# KiCad board accurate2_eval.kicad_pcb (continued)
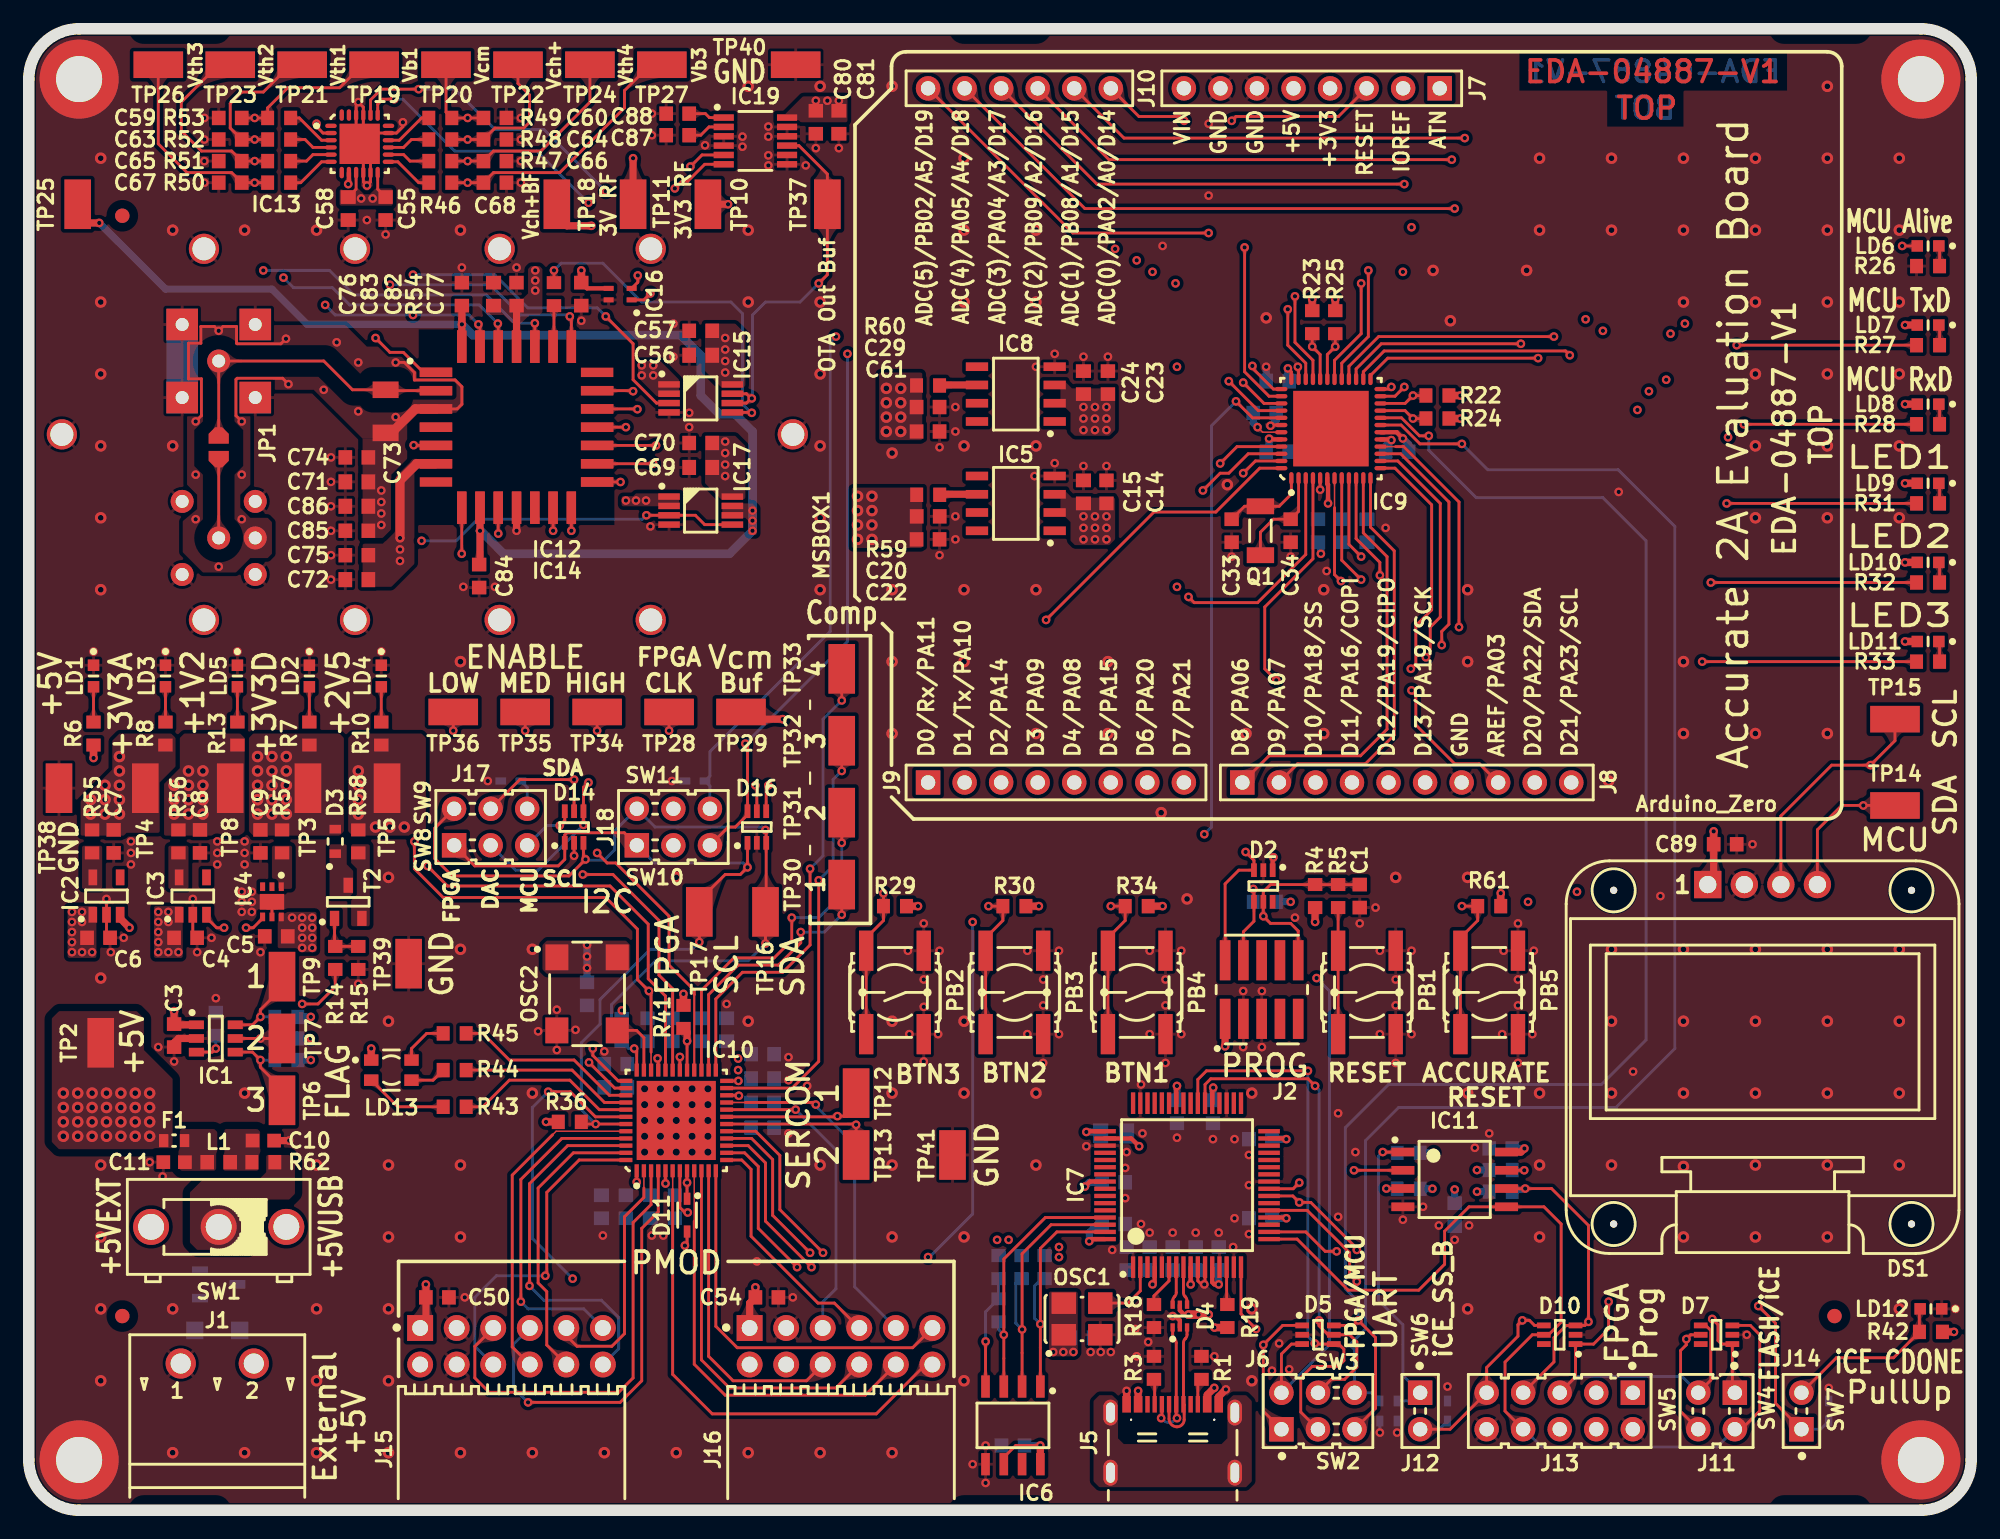
[diagram p0: board, top side]
## Routing (per net, layer and track width the routed paths; a pad name or vN(x,y) marks a point on that pad's centre or on a via; arc(x,y) is an arc through that point) (continued)
/MCU/P.A8: length 43.3
  Top w0.2: v1(96.05,58.5) 96.4,58.85 96.4,61.5 97.5,62.6 97.5,69.9 94.95,72.45 IC9.13
  L3_SIG w0.2: J9.5 80.56,58.5 v1(96.05,58.5)
/MCU/P.A9: length 47.1
  Top w0.2: IC9.14 95.15,72.95 98.1,70 98.1,62.1 97.4,61.4 97.4,59.6 v1(97.1,59.3)
  L3_SIG w0.2: v1(97.1,59.3) 97,59.2 78.72,59.2 J9.4
/MCU/P.A10: length 53.4
  Top w0.2: IC9.15 95.35,73.45 98.7,70.1 98.7,61.6 98.2,61.1 v1(98.2,60.15)
  L3_SIG w0.2: v1(98.2,60.15) 97.95,59.9 74.34,59.9 J9.2
/MCU/P.A11: length 57.1
  Top w0.1: IC9.16 95,73.95
  Top w0.2: v1(99.4,61.4) 99.4,70.1 95.55,73.95 95,73.95
  L3_SIG w0.2: v1(99.4,61.4) 73.3,61.4 J9.1
/MCU/P.A14: length 77.2
  Top w0.2: v1(95.6,78.1) 94.95,77.45 IC9.23
  L3_SIG w0.2: v1(96.1,89.2) 96,89.3 77.1,89.3 v1(75.5,87.7)
  L4_SIG w0.2: J9.3 69.58,52.6 72.5,52.6 75.6,55.7 75.6,87.6 v1(75.5,87.7) ; v1(95.6,78.1) 96.7,79.2 96.7,88.6 v1(96.1,89.2)
/MCU/P.A15: length 65.4
  Top w0.2: IC9.24 94.55,77.95 v1(94.7,78.1)
  L3_SIG w0.2: v1(77,86.9) 77.1,87 94.6,87 v1(95.5,86.1)
  L4_SIG w0.2: v1(77,86.9) 76.6,86.5 76.6,53.9 75.2,52.5 J9.6 ; v1(94.7,78.1) 95.9,79.3 95.9,85.7 v1(95.5,86.1)
/MCU/P.A16: length 51.8
  Top w0.2: v1(104.9,80.1) 94.45,80.1 93.25,78.9 IC9.25
  L4_SIG w0.2: v1(104.9,80.1) 104.9,55.78 103.42,54.3 95.67,54.3 J8.4
/MCU/P.A17: length 52.6
  Top w0.2: IC9.26 92.75,79.15 94.2,80.6 106.8,80.6 v1(107.1,80.3)
  L4_SIG w0.2: v1(107.1,80.3) 107.1,55.18 104.22,52.3 98.75,52.3 J8.6
/MCU/P.A18: length 54.5
  Top w0.2: IC9.27 92.25,79.35 94,81.1 v1(103.7,81.1)
  L4_SIG w0.2: J8.3 94.13,55.3 103.02,55.3 103.7,55.98 v1(103.7,81.1)
/MCU/P.A19: length 55.6
  Top w0.2: IC9.28 91.75,79.53 93.82,81.6 v1(106,81.6)
  L4_SIG w0.2: v1(106,81.6) 106,55.48 103.82,53.3 97.21,53.3 J8.5
/MCU/P.A20: length 59
  Top w0.2: v1(93.1,86.2) 93.1,81.6 91.25,79.75 IC9.29
  L3_SIG w0.2: v1(93.1,86.2) 78.2,86.2 v1(78.1,86.1)
  L4_SIG w0.2: J9.7 77.74,85.74 v1(78.1,86.1)
/MCU/P.A21: length 55.9
  Top w0.2: IC9.30 90.75,79.95 92.6,81.8 v1(92.6,85.3)
  L3_SIG w0.2: v1(92.6,85.3) v1(79.7,85.3)
  L4_SIG w0.2: J9.8 78.9,51.98 78.9,84.5 v1(79.7,85.3)
/MCU/P.B2: length 44.4
  Top w0.2: v1(84.4,72.1) 85.25,72.95 IC9.47 ; J10.6 72.56,88.8 v1(82,88.8)
  L4_SIG w0.2: v1(82,88.8) 82,76.2 84.4,73.8 v1(84.4,72.1)
/MCU/P.B8: length 78.3
  Top w0.1: 90.75,69.7 IC9.7
  Top w0.2: J10.2 76.12,95.4 v1(99.8,95.4) ; 90.75,69.7 90.75,65.05 v1(91.2,64.6)
  L4_SIG w0.2: v1(99.8,95.4) 102.6,92.6 102.6,68.3 97.4,63.1 92.7,63.1 v1(91.2,64.6)
/MCU/P.B9: length 76.5
  Top w0.2: J10.3 75.08,93.9 v1(98.9,93.9) ; IC9.8 91.25,66.05 v1(92.6,64.7)
  L4_SIG w0.2: v1(98.9,93.9) 102,90.8 102,68.9 97,63.9 93.4,63.9 v1(92.6,64.7)
/Power Supply/FLAG1: length 15.4
  Top w0.2: IC1.6 15.55,33.75 v1(16.1,34.3) 16.1,34.8 17.6,36.3 TP9.1 ; v1(13.58,40.5) 13.05,40.5 12.3,41.25 12.3,41.4
  L4_SIG w0.2: v1(16.1,34.3) 14.7,35.7 14.7,38.9 13.58,40.03 v1(13.58,40.5)
  Bottom w0.2: v1(16.1,34.3) R12.2
/Power Supply/FLAG2: length 14.6
  Top w0.2: v1(15.1,40.5) 15.6,40.5 16.2,41.1 16.2,41.25 ; IC1.5 TP7.1
  L4_SIG w0.2: v1(15.1,40.5) 15.1,39.7 15.5,39.3 15.5,36 17,34.5 17,33.7 v1(16.1,32.8)
  Bottom w0.2: v1(16.1,32.8) R11.2
/Power Supply/FLAG3: length 15.9
  Top w0.2: TP6.1 17.6,29.3 16.1,30.8 v1(16.1,31.3) 15.55,31.85 IC1.4 ; R14.1 21.3,36.4 20.1,35.2 v1(19,35.2)
  L4_SIG w0.2: v1(16.1,31.3) 17.7,32.9 17.7,34.6 18.3,35.2 v1(19,35.2)
  Bottom w0.2: v1(16.1,31.3) R9.2
/Power Supply/FLAG3_2V: length 3.6
  Top w0.2: R15.1 R14.2 21.25,39.25 T2.1
/Power Supply/RxD: length 39.3
  Top w0.2: J6.3 88.4,6.83 88.4,9.2 89.2,10 91,10 91.4,10.4 91.4,11.2 91.05,11.55 D5.4 89.43,11.55 v1(89.38,11.6) ; IC7.39 81.25,29.95 81.85,30.55 v1(88.9,30.55)
  Bottom w0.2: v1(89.38,11.6) 88.9,12.08 v1(88.9,30.55)
/Power Supply/TxD: length 34.4
  Top w0.2: J6.4 90.53,9.1 91.45,9.1 92.3,9.95 92.3,11.7 91.8,12.2 D5.5 90.3,12.2 89.67,12.83 v1(89.67,13.2) ; v1(89.4,29.5) 88.9,30 82.15,30 81.75,29.6 IC7.38
  Bottom w0.2: v1(89.4,29.5) 89.67,29.23 v1(89.67,13.2)
/Power Supply/USB_CONN_N: length 8.7
  Top w0.2: D4.1 79.5,12.22 arc(79.53,12.06) 79.62,11.93 79.63,11.92 arc(79.72,11.79) 79.75,11.63 J5.A7 79.75,6.52 arc(79.76,6.46) v1(79.8,6.4) ; J5.B7 78.75,6.52 arc(78.74,6.46) v1(78.7,6.4)
  Bottom w0.2: v1(78.7,6.4) 78.86,6.24 arc(79.02,6.14) 79.2,6.1 79.22,6.1 arc(79.48,6.15) 79.7,6.3 v1(79.8,6.4)
/Power Supply/USB_CONN_P: length 9.2
  Top w0.2: J5.A6 79.25,6.35 arc(79.41,5.96) 79.8,5.8 arc(80.15,5.95) 80.3,6.3 80.3,7.31 arc(80.29,7.35) J5.B6 80.25,11.63 arc(80.28,11.79) 80.37,11.92 80.38,11.93 arc(80.47,12.06) 80.5,12.22 D4.3
/Power Supply/USB_N: length 2.7
  Top w0.2: D4.6 79.5,14.55 arc(79.53,14.7) 79.62,14.83 79.63,14.85 arc(79.72,14.98) 79.75,15.13 IC7.7
/Power Supply/USB_P: length 2.7
  Top w0.2: IC7.8 80.25,15.13 arc(80.28,14.98) 80.37,14.85 80.38,14.83 arc(80.47,14.7) 80.5,14.55 D4.4
/RESET: length 148
  Top w0.2: C1.1 R5.1 R4.2 86.3,43.5 85.8,43 D2.5 v1(85.8,41.3) 86.3,40.8 87.7,40.8 88.23,40.27 88.23,38.24 ; v1(45.6,18.4) 45.75,18.55 D11.2 ; v1(83.4,78.5) 85.45,76.45 IC9.40 ; J7.3 91.02,96.9 83.9,96.9 v1(83.6,96.6)
  L3_SIG w0.2: v1(45.6,18.4) 55.7,18.4 56.5,17.6 v1(62.5,17.6) ; v1(85.8,41.3) 85.4,40.9 v1(65.6,40.9)
  L4_SIG w0.2: v1(85.8,41.3) 85.8,47.3 85.6,47.5 85.6,74.15 83.4,76.35 v1(83.4,78.5) 83.4,96.4 v1(83.6,96.6)
  Bottom w0.2: v1(65.6,40.9) 65.6,20.6 62.6,17.6 v1(62.5,17.6)
/Vcm_Buf: length 83
  Top w0.2: 15,75.7 v1(14.8,75.7) 14.4,76.1 14.4,78.62 14.48,78.7 17.64,78.7 v1(18.05,78.29) ; v1(25.5,79.8) 26.1,79.8 26.8,79.1 26.8,78.58 29.62,78.58 30.1,78.11 30.1,76.9 29.77,76.57 IC12.3 ; v1(17.87,81.45) 17.52,81.1 14.48,81.1 14.44,81.14 14.44,82.3 13.5,82.3 v1(13.2,82) 12.9,82.3 11.96,82.3 11.96,81.14 11.1,81.14 11.1,78.66 12,78.66 12,76.1 v1(11.6,75.7)
  Top w0.5: TP29.1 50,55 v1(52.4,55)
  Top w0.65: IC12.3 26.87,76.57 25.2,74.9 25,74.9
  L3_SIG w0.5: v1(24.5,70.9) v1(24.5,70.1) v1(24.5,69.3) v1(24.5,68.5) 24.5,65.5 25,65 36.3,65 v1(41.5,70.2) ; v1(52.4,55) 52.4,60.9 43.1,70.2 v1(42.9,70.2)
  vias: v1(11.6,72) v1(11.6,68.9) v1(13.2,65.6) v1(14.8,72) v1(14.8,68.9) v1(20.5,77.9) v1(21.4,81.2) v1(22.9,79.8) v1(22.9,76.4) v1(25.5,76) v1(42.2,70.2)
Net-(D9-C): length 22.3
  Top w0.2: IC11.1 v1(94.1,24.91)
  Bottom w0.2: R39.1 94.15,24.85 v1(94.1,24.91) 93.8,24.6 93.8,14.6 95.5,12.9 95.5,9.37 J12.1 96.13,7.6 D9.1
Net-(IC1-EN): length 2.4
  Top w0.2: v1(13,32.1) 12.75,31.85 IC1.3
  Bottom w0.2: v1(13,32.1) C2.1
Net-(IC5-OUT): length 2.6
  Top w0.5: R59.1 63.34,70.64 IC5.6
Net-(IC6-CLK): length 19.7
  Top w0.2: IC6.2 69.03,17.84 71.05,19.85 IC7.62
  Bottom w0.2: v1(69.03,12.57) 68.6,13 68.6,15.8 68.9,16.1
Net-(IC6-CS): length 18.1
  Top w0.2: IC7.63 71.45,19.35 70.31,18.21 IC6.1
  Bottom w0.2: 70.4,16.1 69.9,15.6 69.9,13.34 v1(70.31,12.94)
Net-(IC6-DI): length 18.1
  Top w0.2: IC6.3 67.77,17.47 70.65,20.35 IC7.61
  Bottom w0.2: v1(67.77,12.2) 67.4,12.56 R17.2
Net-(IC6-DO): length 7.9
  Top w0.2: v1(66.5,11.74) 66.5,11.73 IC6.4
  Bottom w0.2: R16.1 R17.1 66.5,13.8 v1(66.5,11.74)
Net-(IC7-OSCI): length 4.4
  Top w0.2: 74.9,14.4 76.4,14.4 77.25,15.25 IC7.2
Net-(IC7-REF): length 3
  Top w0.2: R18.2 78.2,14.9 79.25,15.95 IC7.6
Net-(IC7-VREGOUT): length 9.8
  Top w0.3: IC7.49 73.55,26.35 v1(73.5,26.3) ; v1(82.7,15.7) 82.4,15.7 82.25,15.85 IC7.12 ; IC7.37 82.25,29.31 v1(82.32,29.38) ; IC7.64 73.85,18.85 v1(73.7,18.7)
  Bottom w0.5: C27.1 74.3,19.9 73.7,19.3 v1(73.7,18.7) ; v1(82.32,29.38) 82.3,29.36 C26.1 ; C21.1 74.4,26.3 v1(73.5,26.3) ; C25.1 v1(82.7,15.7)
Net-(IC7-~{RESET}): length 2.6
  Top w0.2: R19.2 83.25,14.35 IC7.14
Net-(IC8-OUT): length 2.6
  Top w0.5: IC8.6 63.33,78.23 R60.1
Net-(IC9A-PA00): length 6
  Top w0.2: C33.2 84.5,69.8 Q1.2 86.9,69.8 87.75,70.65 IC9.1
Net-(IC9A-PA01): length 7.2
  Top w0.2: IC9.2 88.25,69.45 C34.2 86.5,68.9 85.6,68 Q1.1
Net-(IC9B-VDDCORE): length 2.9
  Top w0.1: v1(85.4,75.3) 85.75,74.95 IC9.43
  Bottom w0.5: C40.1 85.1,75.6 v1(85.4,75.3)
Net-(IC10D-VCCPLL): length 3
  Top w0.2: IC10.29 45.75,30.6 v1(45.75,32.62) 45.75,32.61
  Top w0.5: R41.1 45.75,33.25 v1(45.75,32.62)
Net-(IC11-~{HOLD/}DQ3): length 2.1
  Top w0.2: v1(103.94,23.63) IC11.7
  Bottom w0.2: v1(103.94,23.63) 103.92,23.65 R37.1
Net-(IC11-~{W/}DQ2): length 1.9
  Top w0.2: IC11.3 v1(94.35,22.37)
  Bottom w0.2: R38.1 94.36,22.35 v1(94.35,22.36)
Net-(IC13-VOUTA): length 3.4
  Top w0.2: R53.1 18.8,96.8 20.35,95.25 IC13.3
Net-(IC13-VOUTB): length 3.4
  Top w0.2: R49.1 27.3,96.8 25.75,95.25 IC13.16
Net-(IC13-VOUTC): length 3
  Top w0.2: R52.1 19.2,95.3 19.75,94.75 IC13.4
Net-(IC13-VOUTD): length 3
  Top w0.2: R48.1 26.6,95.3 26.05,94.75 IC13.15
Net-(IC13-VOUTE): length 3
  Top w0.2: IC13.5 19.75,94.25 19.3,93.8 R51.1
Net-(IC13-VOUTF): length 3
  Top w0.2: R47.1 26.5,93.8 26.05,94.25 IC13.14
Net-(IC13-VOUTG): length 3.4
  Top w0.2: R50.1 18.9,92.3 20.35,93.75 IC13.6
Net-(IC13-VOUTH): length 3.4
  Top w0.2: R46.1 27.1,92.3 25.65,93.75 IC13.13
Net-(IC19-COMP): length 2.6
  Top w0.2: IC19.2 47.28,96.17 46.7,95.6 C87.1
Net-(IC19-REFOUT): length 2.5
  Top w0.2: C88.1 47.03,97.1 47.3,96.83 IC19.1
Net-(J4-Pad1): length 5.5
  Top w0.2: JP1.1 J4.1
Net-(J5-CC1): length 1.8
  Top w0.2: R3.1 78.25,9.05 J5.A5
Net-(J5-CC2): length 1.8
  Top w0.2: 81.3,9.1 81.25,9.05 J5.B5
Net-(LD1-A): length 2.4
  Top w0.2: R6.1 LD1.2
Net-(LD2-A): length 2.4
  Top w0.2: R7.2 LD2.2
Net-(LD3-A): length 2.4
  Top w0.2: R8.2 LD3.2
Net-(LD4-A): length 2.4
  Top w0.2: R10.2 LD4.2
Net-(LD5-A): length 2.4
  Top w0.2: R13.2 LD5.2
Net-(LD6-C): length 1.4
  Top w0.2: R26.1 132.8,87.85 LD6.1
Net-(LD7-C): length 1.4
  Top w0.2: R27.1 132.8,82.35 LD7.1
Net-(LD8-C): length 1.4
  Top w0.2: LD8.1 132.8,76.85 R28.1
Net-(LD9-C): length 1.4
  Top w0.2: R31.1 132.8,71.35 LD9.1
Net-(LD10-C): length 1.4
  Top w0.2: R32.1 132.8,65.85 LD10.1
Net-(LD11-C): length 1.4
  Top w0.2: LD11.1 132.8,60.35 R33.1
Net-(LD13-CB): length 5.8
  Top w0.2: R43.2 25.65,28.05 LD13.2
Net-(LD13-CG): length 2.5
  Top w0.2: LD13.3 28.1,29.9 R44.2
Net-(LD13-CR): length 3.4
  Top w0.2: LD13.4 26.6,32.1 27.65,33.15 R45.2
Net-(PB1-Pad1): length 8.8
  Top w0.2: PB1.1 R5.2
unconnected-(IC14-Cap_clk-PadD19): length 5.8
  Bonding w0.05: IC14.L19 37.19,77.84 35.03,75.67 IC14.D19
unconnected-(IC14-Comp1-PadD18): length 5.4
  Bonding w0.05: IC14.L18 36.22,76.57 35.17,75.53 IC14.D18
unconnected-(IC14-Comp2-PadD17): length 5
  Bonding w0.05: IC14.L17 39.42,75.38 IC14.D17
unconnected-(IC14-Comp3-PadD16): length 5.4
  Bonding w0.05: IC14.L16 36.32,74.03 35.12,75.22 IC14.D16
unconnected-(IC14-Comp4-PadD15): length 5.9
  Bonding w0.05: IC14.L15 37.29,72.76 34.97,75.08 IC14.D15
unconnected-(IC14-En_High-PadD14): length 6.4
  Bonding w0.05: IC14.L14 38.26,71.49 34.83,74.92 IC14.D14
unconnected-(IC14-En_Low-PadD12): length 5.9
  Bonding w0.05: IC14.D12 34.2,74.25 36.44,72.01 IC14.L12
unconnected-(IC14-En_Med-PadD13): length 6.4
  Bonding w0.05: IC14.L13 37.71,71.04 34.35,74.4 IC14.D13
unconnected-(IC14-In1-PadD2): length 5.9
  Bonding w0.05: IC14.L2 30.47,77.84 32.78,75.53 IC14.D2
unconnected-(IC14-OTA1_Out-PadD21): length 5.9
  Bonding w0.05: IC14.D21 34.2,76.35 36.44,78.59 IC14.L21
unconnected-(IC14-PadL1): length 6.4
  Bonding w0.05: IC14.L1 29.5,79.11 32.94,75.67 IC14.D1
unconnected-(IC14-PadL3): length 5.4
  Bonding w0.05: IC14.D3 32.64,75.38 31.44,76.57 IC14.L3
unconnected-(IC14-PadL5): length 5.4
  Bonding w0.05: IC14.L5 31.78,74.03 32.83,75.08 IC14.D5
unconnected-(IC14-PadL6): length 5.8
  Bonding w0.05: IC14.L6 30.81,72.76 32.97,74.92 IC14.D6
unconnected-(IC14-PadL7): length 6.4
  Bonding w0.05: IC14.L7 30.09,71.04 33.45,74.4 IC14.D7
unconnected-(IC14-PadL8): length 5.9
  Bonding w0.05: IC14.L8 31.36,72.01 33.6,74.25 IC14.D8
unconnected-(IC14-PadL9): length 5.5
  Bonding w0.05: IC14.L9 32.63,72.98 33.75,74.1 IC14.D9
unconnected-(IC14-PadL10): length 5
  Bonding w0.05: IC14.D10 IC14.L10
unconnected-(IC14-PadL20): length 6.4
  Bonding w0.05: IC14.L20 37.71,79.56 34.35,76.2 IC14.D20
unconnected-(IC14-PadL22): length 5.5
  Bonding w0.05: IC14.D22 34.05,76.5 35.17,77.62 IC14.L22
unconnected-(IC14-PadL23): length 5
  Bonding w0.05: IC14.D23 IC14.L23
unconnected-(IC14-PadL24): length 5.5
  Bonding w0.05: IC14.L24 32.63,77.62 33.75,76.5 IC14.D24
unconnected-(IC14-PadL25): length 5.9
  Bonding w0.05: IC14.L25 31.36,78.59 33.6,76.35 IC14.D25
unconnected-(IC14-PadL26): length 6.4
  Bonding w0.05: IC14.D26 33.45,76.2 30.09,79.56 IC14.L26

## Copper pours and planes (outline as drawn; the poured copper is in the pictures)
+1V2 on Top: 9.4,46.9 9.4,50.5 10.5,51.6 10.5,53.7 10.8,54 14.7,54 15,53.7 15,47.2 14.7,46.9
+1V2 on Bottom: 42.7,21.5 45.4,21.5 45.4,23.1 43.3,23.1 42.7,22.5
+1V2 on Bottom: 42.5,33 45.2,33 45.2,32.5 45.6,32.1 45.6,31.3 45.3,31 44.7,31 44.4,31.3 44.4,31.7 44,32.1 42.5,32.1
+1V2 on L3_SIG: 47.3,35.7 46.7,36.3 45.1,36.3 42.2,33.4 28.7,33.4 27.4,34.7 27.4,44.2 25.5,46.1 16.9,46.1 15.4,47.6 15.4,50.47 13.9,51.97 10.87,51.97 9.4,50.5 9.4,45.4 12.4,42.4 21.5,42.4 23.6,40.3 23.6,25.6 28.9,20.3 44.3,20.3 44.7,20.7 44.7,23 44.3,23.4 41.7,23.4 40.8,24.3 40.8,29.5 41.7,30.4 46.7,30.4 47.3,31
+2V5 on Top: 22.5,46.9 22.2,47.2 22.2,53.7 22.5,54 27.3,54 27.6,53.7 27.6,47.2 27.3,46.9
+2V5 on Bottom: 50.6,29.4 50.6,32.2 49.5,32.2 49,31.7 49,29.4
+2V5 on L4_SIG: 22.2,51.6 22.9,52.3 26,52.3 26.7,51.6 26.7,45.7 28.3,44.1 48.9,44.1 52.2,40.8 52.2,30.8 50.8,29.4 49,29.4 47.6,30.8 47.6,37.8 45.5,39.9 26.12,39.9 22.2,43.82
+3V3A on Top: 21.6,91.9 22.9,91.9 23.3,91.5 23.7,91.5 24.1,91.9 25.3,91.9 25.3,90.7 21.6,90.7
+3V3A on Top: 52.3,96.8 52.3,96.5 56.9,96.5 56.9,98.3 53.8,98.3
+3V3A on Top: 47,82.5 49.1,82.5 49.8,81.8 49.8,78.1 48.1,78.1 47,79.2
+3V3A on Top: 47,74.7 49.1,74.7 49.8,74 49.8,70.3 48.1,70.3 47,71.4
+3V3A on Top: 3.6,49.3 3.6,46.9 6.6,46.9 6.8,47.1 9.1,47.1 9.1,50.6 10.2,51.7 10.2,53.7 9.9,54 6.3,54 5.8,53.5 5.8,51.5
+3V3A on L3_SIG: 3.6,47 3.6,49.4 5.8,51.6 5.8,100.9 8,103.1 56,103.1 58.3,100.8 58.3,72.5 55.7,69.9 47.98,69.9 45.1,72.78 45.1,77.3 39.9,82.5 39.9,86.3 39.2,87 28.2,87 27.5,86.3 27.5,77.03 24.25,73.8 21.3,73.8 19.4,71.9 19.4,58.38 18.72,57.7 14.1,57.7 10.2,53.8 10.2,51.8 9.1,50.7 9.1,47.2 6.8,47.2 6.6,47
+3V3D on Top: 41.5,39.6 41.8,39.3 41.8,37.6 41.5,37.3 36,37.3 35.7,37.6 35.7,39.3 36,39.6
+3V3D on Top: 15.6,46.9 15.3,47.2 15.3,53.7 15.6,54 21.6,54 21.9,53.7 21.9,47.2 21.6,46.9
+3V3D on Top: 70.9,15.2 72.9,15.2 72.9,10.9 72.7,10.7 71.1,10.7 70.9,10.9
+3V3D on Bottom: 81.6,17.1 76,17.1 76,14.9 80.8,14.9 81.6,15.7
+3V3D on Bottom: 72.9,12.5 72.9,10.7 70.9,10.7 70.9,12.5
+3V3D on Bottom: 43.9,31.8 44.1,31.6 44.1,30 42.6,30 42.3,29.7 42.3,29.2 42,28.9 41.2,28.9 41.2,31.8
+3V3D on Bottom: 39.2,21.5 42.4,21.5 42.4,23.1 39.2,23.1
+3V3D on Bottom: 66.5,16.8 72,16.8 72,19.2 66.5,19.2
+3V3D on Bottom: 50.6,26.1 50.6,29.1 49,29.1 49,26.1
+3V3D on L3_SIG: 15.6,46.9 15.3,47.2 15.3,55.8 16.4,56.9 18.9,56.9 19.8,57.8 19.8,71.6 21.7,73.5 24.4,73.5 27.9,77 27.9,85.9 28.6,86.6 38.6,86.6 38.9,86.3 38.9,80.2 38.4,79.7 29.4,79.7 29.4,72.7 28.3,71.6 25.4,71.6 24.7,70.9 24.7,54.3 24.4,54 22.7,54 21.9,53.2 21.9,47.2 21.6,46.9
+3V3D on L4_SIG: 15.5,53.7 15.8,54 21.6,54 21.9,53.7 21.9,43.6 25.9,39.6 45.4,39.6 47.3,37.7 47.3,30.7 48.9,29.1 50.9,29.1 52.4,30.6 52.4,40.8 55.7,44.1 75.3,44.1 77,45.8 83.1,45.8 85.8,48.5 85.8,74.5 83.9,76.4 83.9,97 89.1,97 89.1,103 135,103 135,11.4 127.6,4 22.3,4 15.5,10.8
+5V on Top: 8.7,38.4 8.7,42 10.7,42 10.7,38.4
+5V on Top: 71.7,70.9 72,70.9 72.5,70.4 75.5,70.4 75.5,67.5 75.1,67.1 72.7,67.1 72.4,67.4 72.4,68.7 72,69.1 71.7,69.1
+5V on Top: 2.7,38.4 2.7,42 4.7,42 4.7,38.4
+5V on Top: 17.3,41.6 17.3,38.8 20,38.8 20,41.6
+5V on Top: 71.7,78.5 72,78.5 72.5,78 75.5,78 75.5,75.1 75.1,74.7 72.7,74.7 72.4,75 72.4,76.3 72,76.7 71.7,76.7
+5V on Top: 2.1,25.1 1.6,25.6 1.6,34.2 2.1,34.7 7.5,34.7 8,34.2 8,32 10,30 10,25.1
+5V on L3_SIG: 2.1,25.1 1.6,25.6 1.6,53.5 2.1,54 5.3,54 5.8,53.5 5.8,51.5 3.6,49.3 3.6,44.1 5.8,41.9 19.4,41.9 20.3,41 20.3,26 19.4,25.1
+5V on L4_SIG: 15.2,23.7 15.2,97 15.9,97.7 58.9,97.7 61.5,95.1 61.5,67.2 63.3,65.4 73.3,65.4 75.2,67.3 75.2,93.9 78.3,97 89.1,97 89.1,103 0,103 0,23.7 1.9,21.8 13.3,21.8
+5VEXT on Bottom: 17.5,9.9 16.5,8.9 14.4,8.9 13.5,9.8 13.5,15.6 14.4,16.5 16.49,16.5 17.5,15.59
+5VUSB on L3_SIG: 16.8,21.7 21.1,21.7 22.1,20.7 22.1,10.2 26.2,6.1 72.5,6.1 76.1,9.7 76.1,14 82.9,14 82.9,0 15.8,0 15.8,20.7
/ACCURATE ASIC/3V3_REF on Top: 31.8,84.2 34.3,84.2 34.7,84.6 34.7,86.3 34.9,86.5 35.5,86.5 35.7,86.3 35.7,83.3 35.5,83.1 34.8,83.1 34.3,82.6 34.3,79.8 34.2,79.7 33.6,79.7 33.5,79.8 33.5,82.6 33,83.1 31.8,83.1
/ACCURATE ASIC/3V3_REF on Top: 62.1,71.1 62.1,66.9 57.2,66.9 57.2,71.1
/ACCURATE ASIC/3V3_REF on Bottom: 102.2,42.2 102.65,42.65 102.65,44.95 102.2,45.4 60.6,45.4 59,47 59,91.6 58.1,92.5 49.4,92.5 47.2,90.3 34.7,90.3 34.7,84.8 35,84.5 35.4,84.5 35.7,84.8 35.7,86.2 36.7,87.2 54.8,87.2 57.2,84.8 57.2,46.6 60.4,43.4 87.5,43.4 88.7,42.2
/ACCURATE ASIC/3V_REF on Top: 62.1,79.1 62.1,74.4 59.1,74.4 59.1,79.1
/ACCURATE ASIC/3V_REF on L4_SIG: 56.9,93.6 38.1,93.6 36,91.5 33.2,91.5 31.8,92.9 31.8,96.4 31,97.2 30,97.2 24.7,91.9 20.5,91.9 20.5,96.75 22.75,99 34.3,99 35.6,97.7 58.77,97.71 61.2,95.27 61.2,74.4 58.9,74.4 58.9,91.6
/MCU/3V3D_Filtered on Bottom: 89.1,68.5 89.1,70.3 93.6,70.3 93.6,68.4 93.4,68.5
GND on Top, Bottom: 135,0 0,0 0,103 135,103
GND on L2_GND, L3_SIG, L4_SIG, L5_GND: 0,103 135,103 135,0 0,0
/ACCURATE ASIC/A1_Vcharge+_buf on Top: 23.2,67.2 24.6,67.2 25.5,68.1 25.5,71.9 26.7,73.1 29.4,73.1 29.4,72.5 27.1,72.5 26.8,72.2 26.8,65.8 25.2,64.2 23.2,64.2
/ACCURATE ASIC/A1_Vcharge+_buf on Top: 45.2,77.4 45.2,78.6 43.9,79.9 42.1,79.9 42.1,78.9 43.6,77.4
/ACCURATE ASIC/A1_Vcharge+_buf on L3_SIG: 26.4,65.8 26.4,68.2 27.1,68.9 39,68.9 40.7,70.6 40.7,77.9 41.2,78.4 43.7,78.4 43.7,81.3 42.6,82.4 39.4,82.4 38.4,81.4 38.4,71.8 37.4,70.8 26.1,70.8 25.1,69.8 25.1,65.8 25.3,65.6 26.2,65.6
/ACCURATE ASIC/Vcmd on Top: 48.2,70 50.3,70 50.6,69.7 50.6,67.8 50,67.8 50,68.8 49.8,69 48.2,69
/Vcm_Buf on Top: 45.2,69.8 45.2,70.7 42.2,70.7 42,70.5 41.2,70.5 41.2,69.8
/Vcm_Buf on Top: 23.2,75.7 24.4,76.9 28.3,76.9 28.3,76.3 27.1,76.3 26.3,75.5 26.3,73.1 25.2,72 25.2,68.2 24.6,67.6 23.2,67.6
/Vcm_Buf on Top, L2_GND: 30.2,78.1 29.7,78.6 27.5,78.6 25.9,80.2 25,80.2 24.3,80.9 23.5,80.9 22,82.4 11,82.4 11,78.6 11.9,78.6 11.9,76.1 11,76.1 11,71.3 11.7,70.6 11.7,69.6 10.7,68.77 10.7,66.6 12.1,65.2 14.4,65.2 15.4,66.2 16.6,66.2 16.9,66.5 16.9,68.7 16.6,69 15.4,69 14.7,69.7 14.7,70.6 15.4,71.3 15.4,76.1 14.5,76.1 14.5,78.6 17.1,78.6 17.1,77.9 19.8,77.9 23.2,74.5 25.2,74.5 27,76.3 29.7,76.3 30.2,76.8
/Vcm_Buf on L3_SIG: 24.9,65.3 31.7,65.3 33.7,67.3 37.9,67.3 41.2,70.6 43.05,70.6 50.1,63.55 50.1,63 26.7,63 24.9,64.8
Net-(C10-Pad1) on Top: 13.4,23.8 13.4,26.3 13.6,26.5 15.9,26.5 16.1,26.3 16.1,23.8 15.9,23.6 13.6,23.6
Net-(C11-Pad1) on Top: 10.4,23.8 10.4,26.3 10.6,26.5 12.9,26.5 13.1,26.3 13.1,23.8 12.9,23.6 10.6,23.6
Net-(D3-C) on Top: 20.9,46.3 22.1,46.3 22.1,44.91 22.6,44.4 22.6,42.9 22.3,42.6 20.9,42.6
Net-(IC2-VOUT) on Top: 3.7,46.2 5.1,46.2 5.1,43.2 3.7,43.2
Net-(IC3-VOUT) on Top: 9.7,46.2 11.1,46.2 11.1,43.2 9.7,43.2
Net-(IC4-OUT) on Top: 16.9,46.2 18.3,46.2 18.3,43.2 16.9,43.2
Net-(IC7-VREGOUT) on L4_SIG: 82.2,16.6 83.2,16.6 83.2,14.8 82.6,14.2 73.7,14.2 71.8,16.1 71.8,30.5 72.5,31.2 82.9,31.2 83.1,31 83.1,29.1 82.8,28.8 81.8,28.8 81.5,29.1 81.5,29.8 81.2,30.1 74.1,30.1 73.8,29.8 73.8,26.1 72.9,25.2 72.9,21.2 74.2,19.9 74.2,16.8 75.7,15.3 82.2,15.3 82.3,15.4 82.3,16.2 82.4,16.3 82.2,16.5
Net-(IC10D-VCCPLL) on Bottom: 49,33 45.5,33 45.5,32.5 45.9,32.1 45.9,31.9 46.2,31.6 49,31.6
Net-(J5-SHIELD-PadSHIELD1) on Top: 75.7,7.6 75.3,8 74.4,8 74,7.6 74,2 74.4,1.6 84.6,1.6 85,2 85,7.6 84.6,8 83.7,8 83.3,7.6 83.3,5 82.9,4.6 76.1,4.6 75.7,5
Net-(SW1-C) on Top: 11.2,18.6 11.2,22.1 12.2,23.1 16.1,23.1 16.5,23.5 16.5,24.7 18.1,24.7 18.5,24.3 18.5,22 18.1,21.6 16.7,21.6 15.8,20.7 15.8,18.6 15.3,18.1 11.7,18.1
Net-(SW1-NO) on Bottom: 6.6,20.8 7.2,21.4 10.1,21.4 10.7,20.8 10.7,18.4 11.7,17.4 12.3,17.4 12.7,17 12.7,16.4 12.3,16 7,16 6.6,16.4
Net-(T2-S) on Top: 22.4,46.3 23.7,46.3 23.7,40.6 22.4,40.6 22.4,42.4 22.8,42.8 22.8,44.6 22.4,45

Small or netless copper shapes (teardrops, artwork), in the pictures only: 787 on Top, 185 on Bottom, 48 on Bonding, 120 on L3_SIG, 110 on L4_SIG

## Text on the board
B.Silkscreen: HSE-RP-IL / Licensed under CERN OHL-P v2 / http://ohwr.org/cernohl / https://ohwr.org/project/accurate2-eval / HL, CL, HB, SKM, DG | Accurate 2A Evaluation Board | CERN | Venture Connect
User.Drawings: Filled and Capped Holes (see PCB Specification) / All vias in pads shall be filled and capped. / Vias not in pads may be optionally filled and capped.
Title.Block: CERN | Number | Drawn By | Date | MOD. | J.Kuhn | 25/01/2024 | - | EDA-04887-V1
